# Altium PCB PCB.PcbDoc (part 4 of 4)
Units mm, origin at the board's own origin, x right, y up, seen from the top; angles counter-clockwise.
Board outline 100 x 100 mm, 6 copper layers (Top Layer, Layer 2, Layer 3, Layer 4, Layer 5, Bottom Layer), stack 1.538 mm thick; 352 components, 247 nets, 1015 pads, 362 vias.
Unrouted connection lines stored in the file: 1.
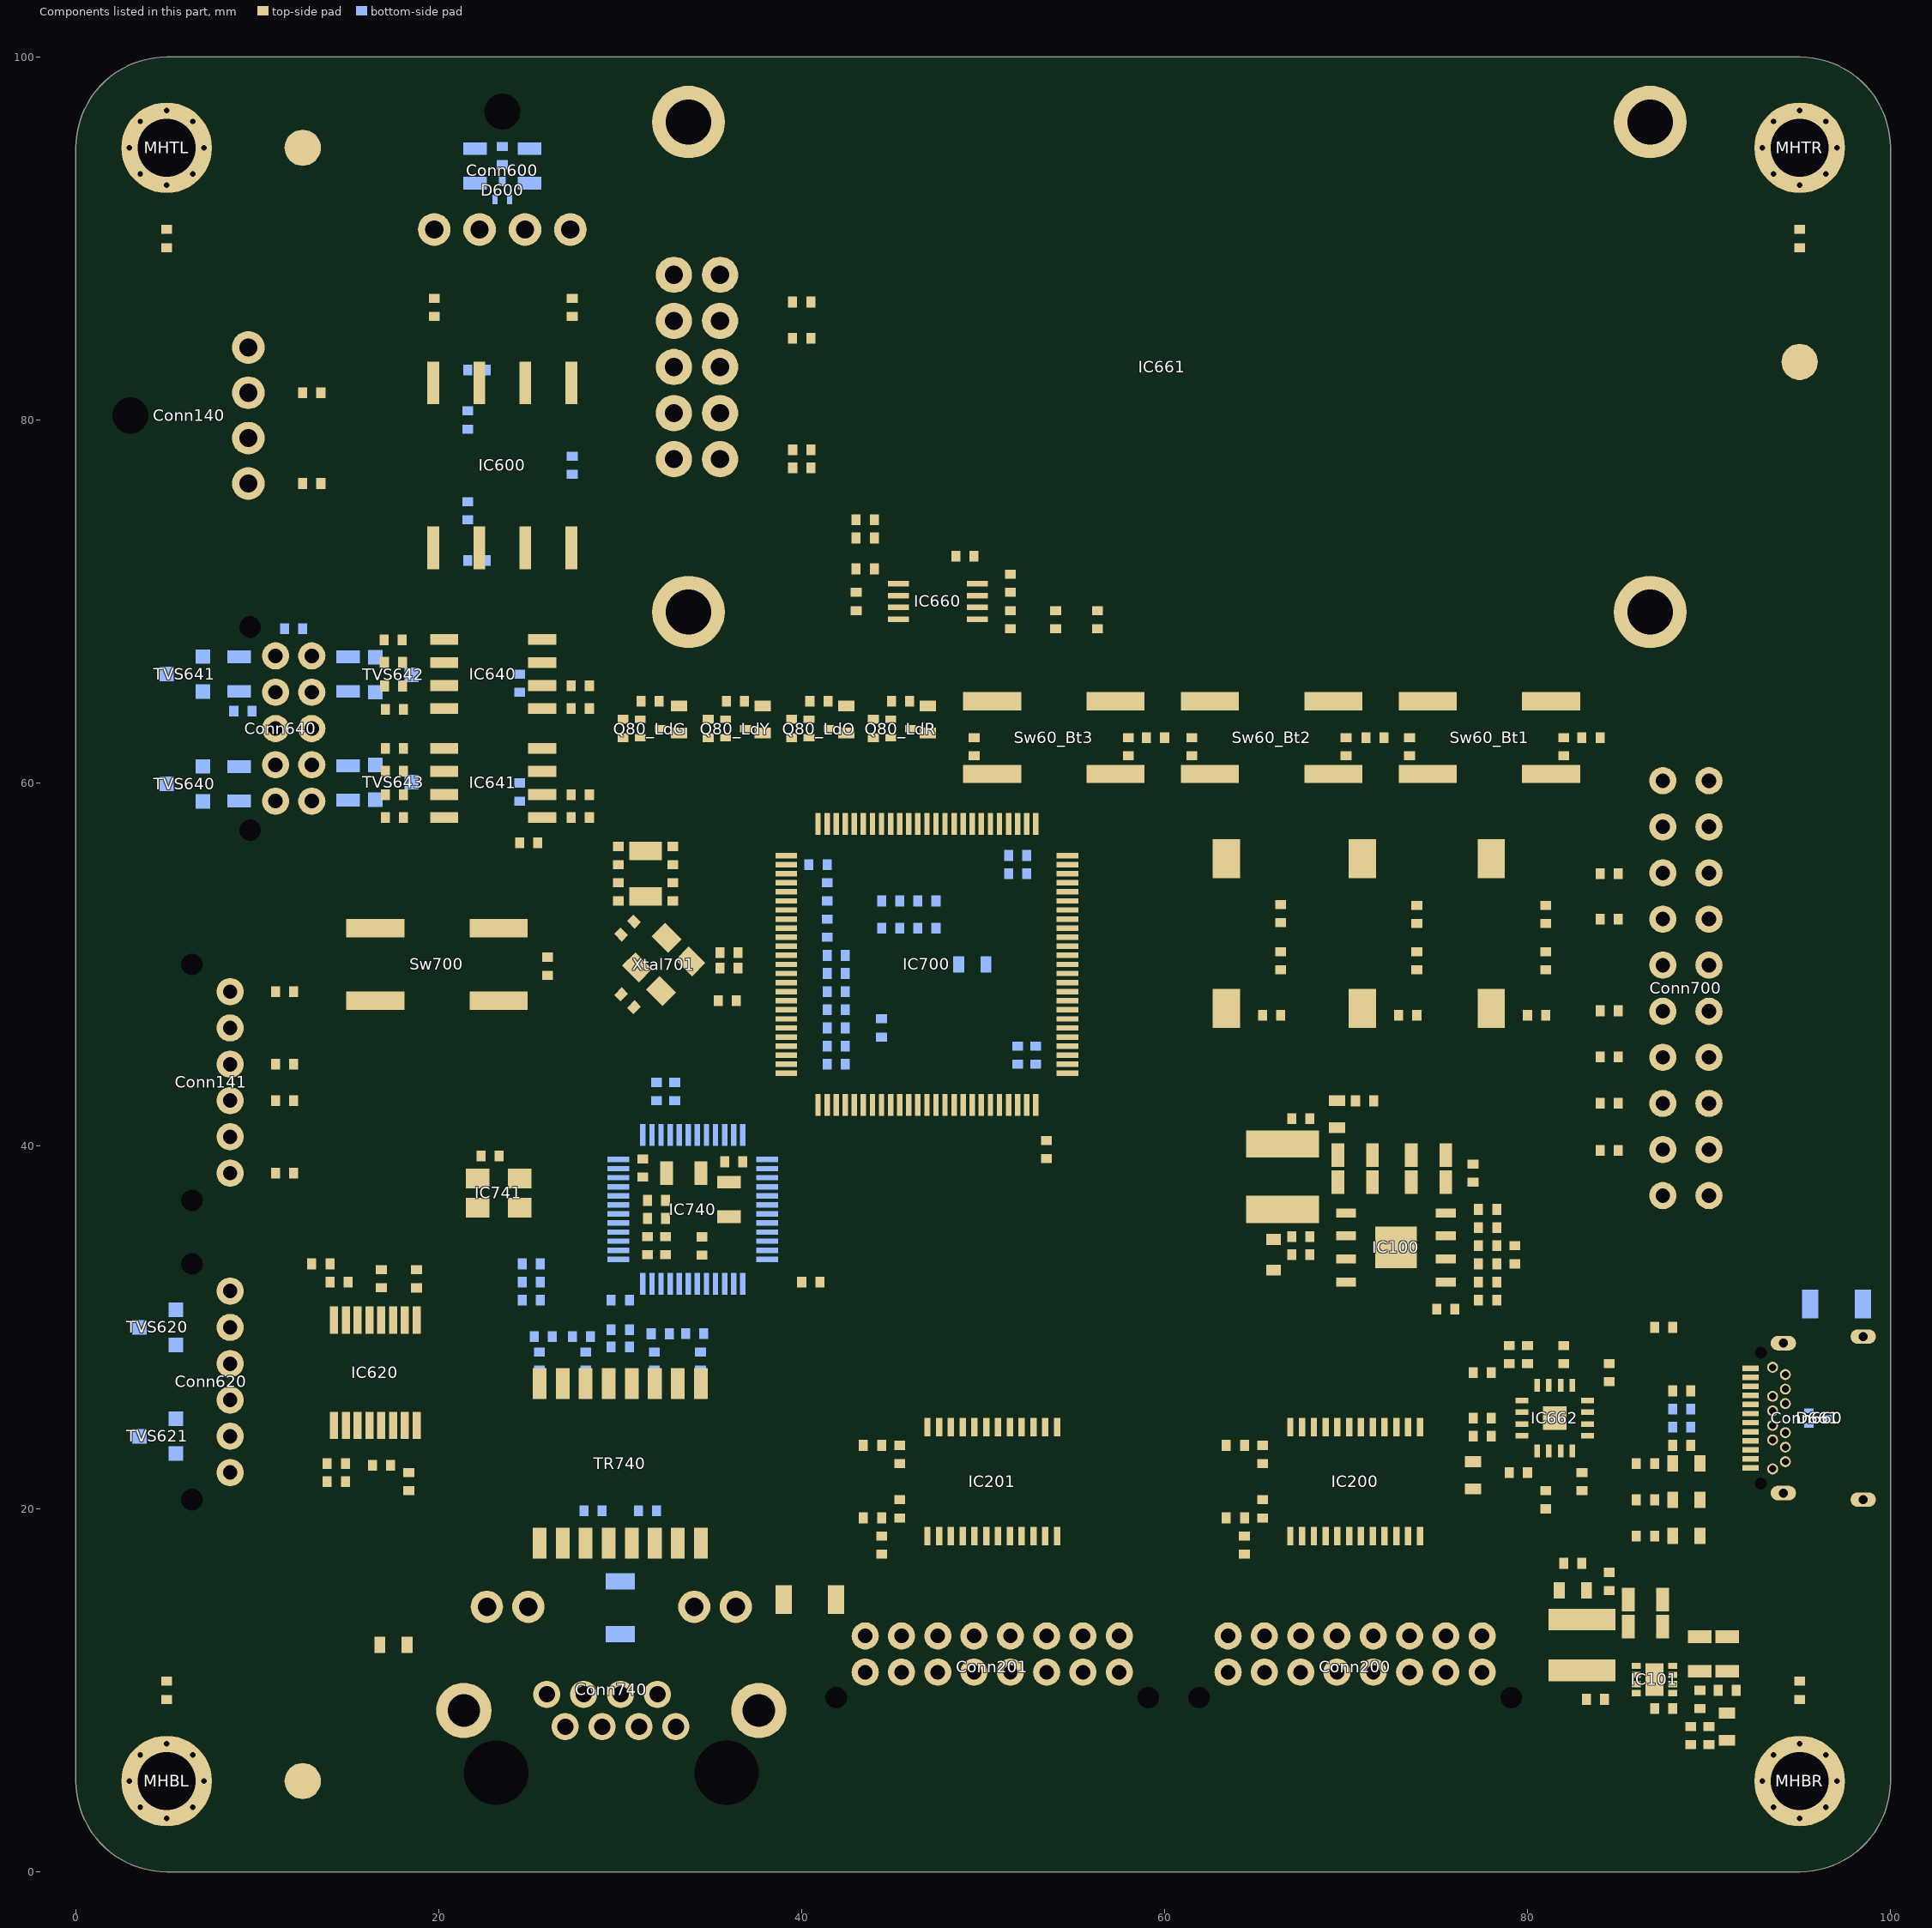
[diagram p8: the components of this part, seen from the top]

## Polygon pours and split planes (outlines as drawn)
GND on Top Layer "Top GND" (solid, pour order 20): 5,0 95,0 ccw(c95,5) 100,5 100,95 ccw(c95,95) 95,100 5,100 ccw(c5,95) 0,95 0,5 ccw(c5,5)
ChassisE on Top Layer "Top ChassisE" (solid, pour order 13): 40,-0.009 40,18.071 36.944,22 23,22 17,15.5 0.014,15.5 0.014,4.991 ccw(c4.764,4.741) 4.514,-0.009
Gcan on Top Layer "Top CAN GND" (solid, pour order 18): 18.5,99.5 18.5,82 20.877,77.83 28.209,77.996 30,81.5 30,99.5
ChassisU on Top Layer "Top ChassisU" (solid, pour order 15): 95,0 ccw(c95,5) 100,5 100.006,30.792 90.712,30.786 90.7,29.198 91.051,29.203 94.714,26.094 94.709,23.431 91.588,19.791 91.209,19.785 91.215,18.474 90.7,17.467 90.7,14.2 92.707,14.2 92.702,11.203 93.199,11.198 93.194,-0.001
ChassisE on Bottom Layer "Bottom ChassisE" (solid, pour order 10): 40,0 40,17.571 36.556,22 23.269,22 17.269,15.5 0,15.5 0,5 ccw(c4.75,4.75) 4.5,0
Gcan on Bottom Layer "Bottom CAN GND" (solid, pour order 17): 18.5,99.5 18.5,82 20.877,77.83 28.209,77.996 30,81.5 30,99.5
GND on Bottom Layer "Bottom GND" (solid, pour order 23): 5,0 95,0 ccw(c95,5) 100,5 100,95 ccw(c95,95) 95,100 5,100 ccw(c5,95) 0,95 0,5 ccw(c5,5)
ChassisU on Bottom Layer "Bottom ChassisU" (solid, pour order 11): 95,0 ccw(c95,5) 100,5 100.006,30.792 90.712,30.786 90.7,29.198 91.051,29.203 94.714,26.094 94.709,23.431 91.588,19.791 91.209,19.785 91.215,18.474 90.7,17.467 90.7,14.2 92.707,14.2 92.702,11.203 93.199,11.198 93.194,-0.001
ChassisE on Layer 3 "Layer3 ChassisE" (solid, pour order 8): 40,0 40,17.571 36.556,22 23.269,22 17.269,15.5 0,15.5 0,5 ccw(c4.75,4.75) 4.5,0
Gcan on Layer 3 "Layer3 CAN GND" (solid, pour order 21): 18.5,99.5 18.5,82 20.877,77.83 28.209,77.996 30,81.5 30,99.5
ChassisU on Layer 3 "Layer3 ChassisU" (solid, pour order 14): 95,0 ccw(c95,5) 100,5 100.006,30.792 90.712,30.786 90.7,29.198 91.051,29.203 94.714,26.094 94.709,23.431 91.588,19.791 91.209,19.785 91.215,18.474 90.7,17.467 90.7,14.2 92.707,14.2 92.702,11.203 93.199,11.198 93.194,-0.001
GND on Layer 3 "Layer3 GND" (solid, pour order 22): 5,0 95,0 ccw(c95,5) 100,5 100,95 ccw(c95,95) 95,100 5,100 ccw(c5,95) 0,95 0,5 ccw(c5,5)
ChassisE on Layer 4 (split plane): 39.998,17.828 39.998,0.51 5,0.51 4.982,0.509 4.706,0.518 4.414,0.547 4.124,0.594 3.837,0.661 3.556,0.747 3.281,0.85 3.013,0.971 2.754,1.11 2.504,1.265 2.266,1.436 2.038,1.623 1.824,1.824 1.623,2.038 1.436,2.266 1.265,2.504 1.11,2.754 0.971,3.013 0.85,3.281 0.747,3.556 0.661,3.837 0.594,4.124 0.547,4.414 0.518,4.706 0.509,4.982 0.51,5 0.51,15.498 17,15.498 17.01,15.499 17.02,15.498 17.059,15.503 17.098,15.507 17.108,15.51 17.118,15.512 17.155,15.524 17.192,15.536 17.201,15.541 17.211,15.544 17.245,15.564 17.279,15.582 17.287,15.589 17.296,15.594 17.325,15.62 17.355,15.645 17.362,15.653 17.369,15.659 23.22,21.998 36.754,21.998
+5V on Layer 4 (split plane): 408 vertices, not listed, extent 18.202,0.51 99.491,99.491
VCC_422 on Layer 4 (split plane): 25.798,63.952 25.798,58.048 25.375,57.202 23.125,57.202 22.702,58.048 22.702,63.952 23.125,64.798 25.375,64.798
+3V3_ETH on Layer 4 (split plane): 37.25,43.128 37.239,39.74 37.243,39.714 37.246,39.688 37.256,39.664 37.266,39.639 37.282,39.619 37.298,39.597 37.319,39.581 37.34,39.565 37.364,39.555 37.388,39.545 37.389,39.545 37.414,39.541 37.441,39.538 40.298,39.532 40.298,19.078 37.397,22.808 37.375,22.831 37.355,22.855 37.341,22.867 37.329,22.88 37.303,22.898 37.279,22.918 37.263,22.926 37.248,22.937 37.22,22.949 37.192,22.964 37.175,22.969 37.158,22.977 37.128,22.984 37.098,22.993 37.08,22.995 37.062,22.999 37.031,22.999 37,23.002 23,23.002 22.99,23.001 22.98,23.002 22.941,22.997 22.902,22.993 22.892,22.99 22.882,22.988 22.845,22.976 22.808,22.964 22.799,22.959 22.789,22.956 22.755,22.936 22.721,22.918 22.713,22.911 22.704,22.906 22.675,22.88 22.645,22.855 22.638,22.847 22.631,22.841 16.78,16.502 13.702,16.502 13.702,34.416 15.584,36.298 20,36.298 20.052,36.305 20.101,36.325 20.143,36.357 20.643,36.857 20.675,36.899 20.695,36.948 20.702,37 20.702,39.916 21.584,40.798 29.5,40.798 29.552,40.805 29.601,40.825 29.643,40.857 31.143,42.357 31.175,42.399 31.195,42.448 31.202,42.5 31.202,43.416 32.084,44.298 36.397,44.298
+3V3 on Layer 4 (split plane): 332 vertices, not listed, extent 0.509,16.502 91.298,99.491
+3V3_FTDI on Layer 4 (split plane): 79.298,28.5 79.305,28.448 79.325,28.399 79.357,28.357 79.399,28.325 79.448,28.305 79.5,28.298 81,28.298 81.006,28.299 81.012,28.299 81.032,28.302 81.052,28.305 81.058,28.307 81.064,28.309 81.082,28.318 81.101,28.325 81.106,28.329 81.111,28.332 81.127,28.345 81.143,28.357 81.146,28.362 81.151,28.366 81.162,28.383 81.175,28.399 81.177,28.405 81.18,28.41 81.625,29.298 85.416,29.298 86.357,28.357 86.399,28.325 86.448,28.305 86.5,28.298 87.416,28.298 88.357,27.357 88.399,27.325 88.419,27.317 88.448,27.305 88.5,27.298 90.798,27.298 90.798,18.548 90.375,17.702 85.334,17.702 83.893,19.143 83.851,19.175 83.802,19.195 83.75,19.202 82.584,19.202 82.143,19.643 82.101,19.675 82.052,19.695 82,19.702 80.202,19.702 80.202,21 80.195,21.052 80.175,21.101 80.143,21.143 80.101,21.175 80.052,21.195 80,21.202 78.048,21.202 76.702,21.875 76.702,29.059 78.561,30.298 79.298,30.298
VBus on Layer 4 (split plane): 90.298,29 90.305,28.948 90.325,28.899 90.357,28.857 90.399,28.825 90.448,28.805 90.5,28.798 91.495,28.798 94.076,26.586 94.076,25.956 93.41,25.575 93.405,25.571 93.399,25.568 93.384,25.555 93.368,25.543 93.364,25.538 93.359,25.534 93.348,25.517 93.336,25.502 93.333,25.496 93.33,25.49 93.323,25.472 93.315,25.453 93.315,25.447 93.312,25.441 93.311,25.421 93.308,25.401 93.309,25.395 93.309,25.388 93.356,24.588 93.359,24.571 93.361,24.553 93.364,24.545 93.366,24.536 93.373,24.52 93.38,24.504 93.385,24.497 93.389,24.489 93.4,24.476 93.411,24.461 93.418,24.456 93.423,24.449 93.438,24.439 93.452,24.428 94.008,24.087 94.008,22.675 91.889,20.202 91.202,20.202 91.202,27.5 91.195,27.552 91.175,27.601 91.143,27.643 91.101,27.675 91.052,27.695 91,27.702 88.584,27.702 87.702,28.584 87.702,30.798 90.298,30.798
ChassisU on Layer 4 (split plane): 99.49,5 99.491,4.982 99.482,4.706 99.453,4.414 99.406,4.124 99.339,3.837 99.253,3.556 99.15,3.281 99.029,3.013 98.89,2.754 98.735,2.504 98.564,2.266 98.377,2.038 98.176,1.824 97.962,1.623 97.734,1.436 97.496,1.265 97.246,1.11 96.987,0.971 96.719,0.85 96.444,0.747 96.163,0.661 95.876,0.594 95.586,0.547 95.294,0.518 95.018,0.509 95,0.51 93.202,0.51 93.202,2.625 93.195,2.677 93.175,2.726 93.143,2.768 92.152,3.759 92.152,6.066 93.143,7.057 93.175,7.099 93.195,7.148 93.202,7.2 93.202,9.416 97.643,13.857 97.675,13.899 97.695,13.948 97.702,14 97.702,30.027 97.695,30.079 97.675,30.127 97.643,30.169 97.302,30.51 97.302,32.609 98.077,33.298 99.49,33.298
NetC740_1 on Layer 4 (split plane): 31.899,39.487 31.899,38.413 30.943,37.457 30.919,37.426 30.913,37.411 30.904,37.389 30.899,37.35 30.899,34.95 30.904,34.911 30.913,34.889 30.919,34.874 30.943,34.843 31.393,34.393 31.424,34.369 31.461,34.354 31.5,34.349 31.837,34.349 31.899,34.287 31.899,33.7 31.904,33.661 31.919,33.624 31.943,33.593 32.193,33.343 32.224,33.319 32.261,33.304 32.3,33.299 33.75,33.299 33.789,33.304 33.811,33.313 33.826,33.319 33.857,33.343 34.157,33.643 34.181,33.674 34.196,33.711 34.201,33.75 34.201,34.227 34.311,34.336 34.7,34.336 34.899,34.137 34.899,33.063 34.487,32.651 31.513,32.651 30.301,33.863 30.301,36.55 30.301,39.237 30.863,39.799 31.587,39.799
VDD on Layer 4 (split plane): 57.382,39.911 53.46,39.911 40.702,39.935 40.702,40 40.695,40.052 40.675,40.101 40.643,40.143 40.601,40.175 40.552,40.195 40.5,40.202 40.448,40.195 40.399,40.175 40.357,40.143 40.325,40.101 40.305,40.052 40.298,40 40.298,39.936 37.643,39.941 37.701,58.798 57.299,58.798
+5V_LCD on Layer 4 (split plane): 38.857,88.857 38.899,88.825 38.919,88.817 38.948,88.805 39,88.798 41.399,88.798 42.798,86.933 42.798,80 42.799,79.996 42.798,79.991 42.802,79.97 42.805,79.948 42.807,79.944 42.808,79.939 42.817,79.919 42.825,79.899 42.828,79.896 42.83,79.892 42.844,79.875 42.857,79.857 42.861,79.855 42.864,79.851 48.864,74.351 48.882,74.339 48.899,74.325 48.903,74.324 48.907,74.321 48.927,74.314 48.948,74.305 48.952,74.305 48.956,74.303 48.978,74.301 49,74.298 52.416,74.298 56.798,69.916 56.798,69 56.798,68.702 53,68.702 52.948,68.695 52.899,68.675 52.857,68.643 51.416,67.202 43.587,67.202 35.647,75.638 35.645,75.64 35.643,75.643 35.624,75.657 35.606,75.672 35.603,75.673 35.601,75.675 35.579,75.684 35.558,75.693 35.555,75.694 35.552,75.695 35.529,75.698 35.506,75.702 35.503,75.701 35.5,75.702 32.614,75.702 31.202,78.056 31.202,88.899 33.067,90.298 37.416,90.298
ChassisE on Layer 5 (split plane): 39.998,17.828 39.998,0.51 5,0.51 4.982,0.509 4.706,0.518 4.414,0.547 4.124,0.594 3.837,0.661 3.556,0.747 3.281,0.85 3.013,0.971 2.754,1.11 2.504,1.265 2.266,1.436 2.038,1.623 1.824,1.824 1.623,2.038 1.436,2.266 1.265,2.504 1.11,2.754 0.971,3.013 0.85,3.281 0.747,3.556 0.661,3.837 0.594,4.124 0.547,4.414 0.518,4.706 0.509,4.982 0.51,5 0.51,15.498 17,15.498 17.01,15.499 17.02,15.498 17.059,15.503 17.098,15.507 17.108,15.51 17.118,15.512 17.155,15.524 17.192,15.536 17.201,15.541 17.211,15.544 17.245,15.564 17.279,15.582 17.287,15.589 17.296,15.594 17.325,15.62 17.355,15.645 17.362,15.653 17.369,15.659 23.22,21.998 36.754,21.998
GND on Layer 5 (split plane): 231 vertices, not listed, extent 0.509,0.51 99.491,99.491
GND on Layer 5 (split plane): 99.49,5 99.491,4.982 99.482,4.706 99.453,4.414 99.406,4.124 99.339,3.837 99.253,3.556 99.15,3.281 99.029,3.013 98.89,2.754 98.735,2.504 98.564,2.266 98.377,2.038 98.176,1.824 97.962,1.623 97.734,1.436 97.496,1.265 97.246,1.11 96.987,0.971 96.719,0.85 96.444,0.747 96.163,0.661 95.876,0.594 95.586,0.547 95.294,0.518 95.018,0.509 95,0.51 93.202,0.51 93.202,2.625 93.195,2.677 93.175,2.726 93.143,2.768 92.152,3.759 92.152,6.066 93.143,7.057 93.175,7.099 93.195,7.148 93.202,7.2 93.202,9.466 97.643,13.907 97.675,13.949 97.695,13.998 97.702,14.05 97.702,30.027 97.695,30.079 97.675,30.127 97.643,30.169 97.302,30.51 97.302,32.609 98.077,33.298 99.49,33.298
Gcan on Layer 5 (split plane): 30.145,99.355 30.082,99.279 30.036,99.192 30.007,99.098 29.998,99 29.998,81.619 28.189,78.002 20.789,78.002 18.502,81.922 18.502,99 18.493,99.098 18.464,99.192 18.418,99.279 18.355,99.355 18.221,99.49 30.279,99.49
ChassisE on Layer 2 (split plane): 39.998,17.828 39.998,0.51 5,0.51 4.982,0.509 4.706,0.518 4.414,0.547 4.124,0.594 3.837,0.661 3.556,0.747 3.281,0.85 3.013,0.971 2.754,1.11 2.504,1.265 2.266,1.436 2.038,1.623 1.824,1.824 1.623,2.038 1.436,2.266 1.265,2.504 1.11,2.754 0.971,3.013 0.85,3.281 0.747,3.556 0.661,3.837 0.594,4.124 0.547,4.414 0.518,4.706 0.509,4.982 0.51,5 0.51,15.498 17,15.498 17.01,15.499 17.02,15.498 17.059,15.503 17.098,15.507 17.108,15.51 17.118,15.512 17.155,15.524 17.192,15.536 17.201,15.541 17.211,15.544 17.245,15.564 17.279,15.582 17.287,15.589 17.296,15.594 17.325,15.62 17.355,15.645 17.362,15.653 17.369,15.659 23.22,21.998 36.754,21.998
GND on Layer 2 (split plane): 231 vertices, not listed, extent 0.509,0.51 99.491,99.491
ChassisU on Layer 2 (split plane): 99.49,5 99.491,4.982 99.482,4.706 99.453,4.414 99.406,4.124 99.339,3.837 99.253,3.556 99.15,3.281 99.029,3.013 98.89,2.754 98.735,2.504 98.564,2.266 98.377,2.038 98.176,1.824 97.962,1.623 97.734,1.436 97.496,1.265 97.246,1.11 96.987,0.971 96.719,0.85 96.444,0.747 96.163,0.661 95.876,0.594 95.586,0.547 95.294,0.518 95.018,0.509 95,0.51 93.202,0.51 93.202,2.625 93.195,2.677 93.175,2.726 93.143,2.768 92.152,3.759 92.152,6.066 93.143,7.057 93.175,7.099 93.195,7.148 93.202,7.2 93.202,9.466 97.643,13.907 97.675,13.949 97.695,13.998 97.702,14.05 97.702,30.027 97.695,30.079 97.675,30.127 97.643,30.169 97.302,30.51 97.302,32.609 98.077,33.298 99.49,33.298
Gcan on Layer 2 (split plane): 30.145,99.355 30.082,99.279 30.036,99.192 30.007,99.098 29.998,99 29.998,81.619 28.189,78.002 20.789,78.002 18.502,81.922 18.502,99 18.493,99.098 18.464,99.192 18.418,99.279 18.355,99.355 18.221,99.49 30.279,99.49

## Other copper
Top Layer:
  pour cut-out: 66.501,95.2 82.199,95.2 ccw(c82.199,95.601) 82.6,95.601 82.6,96.799 ccw(c82.199,96.799) 82.199,97.2 66.501,97.2 ccw(c66.501,96.799) 66.1,96.799 66.1,95.601 ccw(c66.501,95.601)
  region net +5V_AP: 88.85,11.4 91.65,11.4 91.65,10.7 91.15,10.7 90.75,10.3 90.75,9.75 89.8,9.75 89.2,9.75 89.2,10.25 88.85,10.7
  region net +3V3_AP: 84.2,15.75 84.2,13.525 82.953,13.525 82.949,15.049
  region net +3V3_AP: 84.2,15.75 84.8,15.75 85.15,15.65 85.775,15.65 85.775,13.525 84.2,13.525
  region net +3V3_AP: 82.95,15.95 83.6,15.95 84.2,15.75 82.95,15.05
  region net NetL101_1: 85.682,10.925 84.525,10.925 84.525,11.575 84.85,11.575
  region net +3V3_RT: 69.9,37.35 69.15,37.35 67.15,39.35 67.15,40.85 67.4,40.85 67.75,41.2 67.75,41.8 68.25,41.8 68.75,41.3 69.95,41.3
  text "TL" at 66.845,95.2 h2
Layer 3:
  pour cut-out: 66.515,95.184 82.214,95.184 ccw(c82.214,95.585) 82.615,95.585 82.615,96.784 ccw(c82.214,96.784) 82.214,97.184 66.515,97.184 ccw(c66.515,96.784) 66.115,96.784 66.115,95.585 ccw(c66.515,95.585)
  text "L3" at 72.1,95.2 h2
Bottom Layer:
  pour cut-out: 66.524,95.184 82.223,95.184 ccw(c82.223,95.585) 82.624,95.585 82.624,96.784 ccw(c82.223,96.784) 82.223,97.184 66.524,97.184 ccw(c66.524,96.784) 66.124,96.784 66.124,95.585 ccw(c66.524,95.585)
  region net GND: 94,32 94.5,32.5 95.8,32.5 96.3,32 96.3,30.7 95.8,30.2 94.5,30.2 94,30.7
  text "BL" at 79.482,95.2 h2
Layer 2 (plane layer: these items are gaps in the copper):
  region: 66.6,97.2 ccw(c66.6,96.7) 66.1,96.7 66.1,95.7 ccw(c66.6,95.7) 66.6,95.2
  region: 82.1,95.2 ccw(c82.1,95.7) 82.6,95.7 82.6,96.7 ccw(c82.1,96.7) 82.1,97.2
  region: 66.6,97.2 66.6,95.2 82.1,95.2 82.1,97.2 71.6,97.2 71.6,95.2 69.6,95.2 69.6,97.2
  lines w0.4: 93,0.5 93,2.625 91.95,3.675 91.95,6.15 93,7.2 93,9.55 97.5,14.05 97.5,30.027 97.1,30.427 97.1,32.7 98,33.5 100,33.5
  lines w1: 17,100 18,99 18,81.786 20.5,77.5 28.5,77.5 30.5,81.5 30.5,99 31.5,100 ; 17,16 23,22.5 ; 17,16 0,16 17,16 ; 17,16 23,22.5 ; 23,22.5 37,22.5 ; 23,22.5 37,22.5 ; 37,22.5 40.5,18 ; 37,22.5 40.5,18 ; 40.5,18 40.5,0 40.5,18
  text "L2" at 69.6,95.2 h2
Layer 5 (plane layer: these items are gaps in the copper):
  region: 82.1,97.2 cw(c82.1,96.7) 82.6,96.7 82.6,95.7 cw(c82.1,95.7) 82.1,95.2
  region: 66.6,95.2 cw(c66.6,95.7) 66.1,95.7 66.1,96.7 cw(c66.6,96.7) 66.6,97.2
  region: 66.6,97.2 66.6,95.2 82.1,95.2 82.1,97.2 79.1,97.2 79.1,95.2 77.1,95.2 77.1,97.2
  lines w0.4: 93,0.5 93,2.625 91.95,3.675 91.95,6.15 93,7.2 93,9.55 97.5,14.05 97.5,30.027 97.1,30.427 97.1,32.7 98,33.5 100,33.5
  lines w1: 0,16 17,16 23,22.5 37,22.5 40.5,18 40.5,0 ; 17,100 18,99 18,81.786 20.5,77.5 28.5,77.5 30.5,81.5 30.5,99 31.5,100
  text "L5" at 77.1,95.2 h2
Layer 4 (plane layer: these items are gaps in the copper):
  lines w0.3: 30.15,33.8 30.15,36.55 30.15,39.3 30.8,39.95 31.65,39.95 32.05,39.55 32.05,38.35 31.05,37.35 31.05,34.95 31.5,34.5 31.9,34.5 32.05,34.35 32.05,33.7 32.3,33.45 33.75,33.45 34.05,33.75 34.05,34.29 34.248,34.488 34.762,34.488 35.05,34.2 35.05,33 34.55,32.5 31.45,32.5 30.15,33.8
  lines w0.4: 13.5,16 13.5,34.5 15.5,36.5 20,36.5 20.5,37 20.5,40 21.5,41 24.5,41 29.5,41 31,42.5 31,43.5 32,44.5 36.5,44.5 37.446,43.201 ; 18.5,99.5 18,99 18,82 20.5,77.5 28.5,77.5 31.5,75.5 35.5,75.5 43.5,67 51.5,67 53,68.5 57,68.5 57,69 57,70 52.5,74.5 49,74.5 43,80 43,87 41.5,89 39,89 37.5,90.5 33,90.5 31,89 31,78 32.5,75.5 ; 40.5,18 65.967,18 66.467,17.5 80,17.5 90.5,17.5 91,18.5 91,27.5 88.5,27.5 87.5,28.5 ; 40.5,18.5 40.5,40 ; 54.5,68.5 56,67 57.5,67 86.5,67 91.5,67 91.5,36.5 90.5,35.5 87.5,35.5 86,35.5 81,40.5 76.5,40.5 76,40 76,39 76.45,38.55 77.45,38.55 82,34 82,32.5 81,30.5 78.5,30.5 76.5,29.167 76.5,21.75 78,21 80,21 80,19.5 82,19.5 82.5,19 83.75,19 85.25,17.5 ; 79.5,30.5 79.5,28.5 81,28.5 81.5,29.5 83,29.5 84,29.5 85.5,29.5 86.5,28.5 87.5,28.5 ; 91,20 91.981,20 94.21,22.6 94.21,24.2 93.557,24.6 93.51,25.4 94.278,25.839 94.278,26.679 91.57,29 90.5,29 90.5,31 87.5,31 87.5,28.5 ; 93,0.5 93,2.625 91.95,3.675 91.95,6.15 93,7.2 93,9.5 97.5,14 97.5,30.027 97.1,30.427 97.1,32.7 98,33.5 100,33.5 ; 22.5,58 22.5,64 23,65 25.5,65 26,64 26,58 25.5,57 23,57 22.5,58 ; 37.441,39.739 53.46,39.709 57.585,39.709 57.5,59 37.5,59 37.441,39.739
  lines w1: 0,16 17,16 23,22.5 37,22.5 40.5,18 40.5,0

## Silkscreen, mask and mechanical layers (free items; w line width, h text height)
Top Overlay:
  circle w0.4: c37.9,58.1 r0.2
  circle w0.3: c69.8,36.955 r0.15
  circle w0.3: c78.6,22.3 r0.15
  circle w0.4: c37,26.5 r0.2
  circle w0.3: c46.225,18.1 r0.15
  circle w0.3: c66.025,18.1 r0.15
  circle w0.3: c49.525,68 r0.15
  circle w0.3: c18.723,72.93 r0.15
  circle w0.3: c26.9,63.15 r0.15
  circle w0.3: c27.1,56.65 r0.15
  lines w0.05: 12.6,33.1 12.6,33.9 14.4,33.9 14.4,33.1 12.6,33.1 ; 16.3,11.9 16.3,13.1 18.7,13.1 18.7,11.9 16.3,11.9 ; 19.351,85.276 19.351,87.076 20.151,87.076 20.151,85.276 19.351,85.276 ; 24.05,56.3 25.85,56.3 25.85,57.1 24.05,57.1 24.05,56.3 ; 26.941,85.305 26.941,87.105 27.741,87.105 27.741,85.305 26.941,85.305 ; 35,47.6 36.8,47.6 36.8,48.4 35,48.4 35,47.6 ; 39.6,32.1 39.6,32.9 41.4,32.9 41.4,32.1 39.6,32.1 ; 43,19.1 44.8,19.1 44.8,19.9 43,19.9 43,19.1 ; 43,23.1 44.8,23.1 44.8,23.9 43,23.9 43,23.1 ; 44,17.1 44,18.9 44.8,18.9 44.8,17.1 44,17.1 ; 53.6,68.1 53.6,69.9 54.4,69.9 54.4,68.1 53.6,68.1 ; 55.9,68.1 55.9,69.9 56.7,69.9 56.7,68.1 55.9,68.1 ; 63,19.1 64.8,19.1 64.8,19.9 63,19.9 63,19.1 ; 63,23.1 64.8,23.1 64.8,23.9 63,23.9 63,23.1 ; 64,17.1 64,18.9 64.8,18.9 64.8,17.1 64,17.1 ; 66.6,41.1 68.4,41.1 68.4,41.9 66.6,41.9 66.6,41.1 ; 76.6,27.1 78.4,27.1 78.4,27.9 76.6,27.9 76.6,27.1 ; 90.1,9.6 91.9,9.6 91.9,10.4 90.1,10.4 90.1,9.6 ; 90.4,6.8 90.4,9.2 91.6,9.2 91.6,6.8 90.4,6.8
  lines w0.1: 17,11.35 17.3,11.35 ; 17.3,11.05 17.3,11.65 ; 17.8,11.35 18.1,11.35 ; 33.1,61.2 33.7,61.2 ; 33.4,60.9 33.4,61.2 ; 33.4,61.7 33.4,62 ; 64.8,34.3 65.4,34.3 ; 65.1,33.5 65.1,33.8 ; 65.1,34.6 65.1,34.3 ; 69.2,43.9 69.8,43.9 ; 69.5,43.1 69.5,43.4 ; 69.5,44.2 69.5,43.9 ; 80.2,15.5 80.5,15.5 ; 80.5,15.2 80.5,15.8 ; 81,15.5 81.3,15.5 ; 87.8,16.4 88.1,16.4 ; 88.1,16.1 88.1,16.7 ; 88.6,16.4 88.9,16.4 ; 90.7,5.8 91.3,5.8 ; 91,5.5 91,5.8 ; 91,6.3 91,6.6 ; 17.3,11.35 17.8,11.05 17.8,11.15 17.8,11.65 17.3,11.35 ; 33.4,61.2 33.1,61.7 33.6,61.7 33.7,61.7 33.4,61.2 ; 65.1,34.3 64.8,33.8 64.9,33.8 65.4,33.8 65.1,34.3 ; 69.5,43.9 69.2,43.4 69.3,43.4 69.8,43.4 69.5,43.9 ; 80.5,15.5 81,15.2 81,15.3 81,15.8 80.5,15.5 ; 88.1,16.4 88.6,16.1 88.6,16.2 88.6,16.7 88.1,16.4 ; 91,5.8 91.3,6.3 91.2,6.3 90.7,6.3 91,5.8
  text "CAN-L" at 25.199,85.25 h1.4 r90
  text "CAN-H" at 22.699,85.099 h1.4 r90
  text "+5V" at 18.657,84.302 h1.4
  text "GND" at 26.04,84.288 h1.4
  text "+3V3" at 11,83.557 h1.4
  text "SDA" at 11.913,80.24 h1.4 r90
  text "GND" at 11,78.551 h1.4
  text "SCL" at 11.913,75.332 h1.4 r90
  text "I2C" at 10.091,72.197 h2
  text "LCD" at 54.097,70.017 h1.2
  text "TX-" at 14,67.619 h1.4
  text "+3V3" at 51.475,67.283 h1
  text "+5V" at 56.8,67.285 h1
  text "RX-" at 14,66.619 h1.4
  text "JTAG" at 94.372,65.722 h2
  text "TX+" at 14,65.619 h1.4
  text "E6" at 32.669,64.814 h1.4
  text "E5" at 37.282,64.812 h1.4
  text "E3" at 46.378,64.812 h1.4
  text "E4" at 41.859,64.8 h1.4
  text "RX+" at 14,64.619 h1.4
  text "GND" at 14,63.619 h1.4
  text "GND" at 14,62.619 h1.4
  text "CTS+" at 14,61.619 h1.4
  text "GNDx9" at 90.281,61.3 h1.4 r90
  text "x4" at 34.073,61.104 h1.4
  text "RTS+" at 14,60.619 h1.4
  text "NC" at 84.812,59.739 h1.4
  text "CTS-" at 14,59.619 h1.4
  text "RTS-" at 14,58.619 h1.4
  text "E1" at 65.327,58.332 h1.4
  text "E0" at 53.312,58.325 h1.4
  text "E2" at 77.329,58.325 h1.4
  text "NC" at 84.812,57.199 h1.4
  text "32kHz" at 29.842,57.012 h1.4
  text "1" at 61.571,56 h1.4
  text "D7" at 64.6,56 h1.4
  text "1" at 69.071,56 h1.4
  text "B8" at 72.1,56.014 h1.4
  text "1" at 76.071,56 h1.4
  text "B9" at 79.1,56 h1.4
  text "NRST" at 83.237,55.614 h1.4
  text "RS232" at 23.384,55.42 h1.2
  text "RS422" at 7.997,55.099 h2
  text "MCU RESET" at 17.08,53.514 h1.4
  text "TDO" at 83.549,53.014 h1.4
  text "25MHz" at 32.803,52.413 h1.4 r315
  text "NC" at 84.812,49.579 h1.4
  text "TCK" at 83.549,48.01 h1.4
  text "MOSI" at 10.55,47.179 h1.2
  text "0" at 61.505,46.725 h1.4
  text "0" at 69.005,46.725 h1.4
  text "0" at 76.005,46.725 h1.4
  text "ETH-MCU / RESET" at 34.324,46.273 h1
  text "GND" at 10.55,46.115 h1.2
  text "TMS" at 83.569,45.414 h1.4
  text "MISO" at 10.55,45.007 h1.2
  text "TDI" at 83.582,42.9 h1.4
  text "SCK" at 10.55,41.179 h1.2
  text "+3V3" at 64.987,40.885 h1.2 r90
  text "TRST" at 83.232,40.414 h1.4
  text "GND" at 10.55,40.115 h1.2
  text "STM32F417" at 43.255,40.099 h2
  text "CS" at 10.55,39.007 h1.2
  text "MCU" at 54.78,38.664 h1.2 r90
  text "+3V3" at 83.48,36.878 h1.4
  text "50MHz" at 21.747,35.025 h1.4
  text "SPI" at 8.867,34.697 h2
  text "RS232" at 12.659,34.136 h1.2
  text "+3V3" at 41.613,33.715 h1.2 r270
  text "+3V3" at 90.282,33.68 h1.4 r90
  text "RX" at 10.5,31.551 h1.4
  text "+5V / USB" at 86.294,30.5 h1.4
  text "+3V3_ETH" at 38.387,29.931 h1.2 r90
  text "GND" at 10.5,29.551 h1.4
  text "TX" at 10.5,27.551 h1.4
  text "FTDI" at 73.806,27.117 h1.2
  text "RTS" at 10.55,25.551 h1.4
  text "GND" at 10.55,23.551 h1.4
  text "+3V3" at 40.369,23.12 h1.2
  text "+3V3" at 60.369,23.12 h1.2
  text "CTS" at 10.55,21.551 h1.4
  text "TX" at 88.027,21.12 h1.3
  text "+3V3" at 40.469,19.12 h1.2
  text "+3V3" at 60.469,19.12 h1.2
  text "RX" at 87.994,19.12 h1.3
  text "RS232" at 6.505,18.197 h2
  text "USB" at 91.5,18.199 h2
  text "+3V3" at 81.285,18.013 h1.2
  text "+5V" at 41.926,17.122 h1.2
  text "+5V" at 60.926,17.122 h1.2
  text "SLP" at 87.707,17.106 h1.3
  text "(Type-C)" at 91.5,16.659 h1.6
  text "x3" at 89.001,16.033 h1.4
  text "D10" at 43.881,14.213 h1.4 r90
  text "D12" at 45.888,14.213 h1.4 r90
  text "D13" at 47.882,14.213 h1.4 r90
  text "D14" at 49.884,14.213 h1.4 r90
  text "D15" at 51.878,14.213 h1.4 r90
  text "C6" at 53.88,14.213 h1.4 r90
  text "C7" at 55.881,14.213 h1.4 r90
  text "C8" at 57.881,14.213 h1.4 r90
  text "E8" at 63.881,14.2 h1.4 r90
  text "E9" at 65.888,14.2 h1.4 r90
  text "E10" at 67.881,14.2 h1.4 r90
  text "E11" at 69.884,14.2 h1.4 r90
  text "E12" at 71.888,14.2 h1.4 r90
  text "E13" at 73.882,14.2 h1.4 r90
  text "E14" at 75.884,14.2 h1.4 r90
  text "E15" at 77.878,14.2 h1.4 r90
  text "SPD" at 16.609,13.325 h1.4
  text "ETH" at 20.863,12.168 h2 r90
  text "+5V" at 93.269,9.063 h1.2 r90
  text "PG" at 92.564,7.275 h1.2 r90
  text "GPIO #0" at 61.174,1.5 h1.8 r90
  text "GPIO #1" at 81.301,1.5 h2 r90
Bottom Overlay:
  circle w0.4: c39.818,39.739 r0.2
  lines w0.05: 21.2,74.1 21.2,75.9 22,75.9 22,74.1 21.2,74.1 ; 21.2,79.1 21.2,80.9 22,80.9 22,79.1 21.2,79.1 ; 45,51.6 46.8,51.6 46.8,52.4 45,52.4 45,51.6 ; 45,53.1 46.8,53.1 46.8,53.9 45,53.9 45,53.1
  text "+5V" at 20.337,80.737 h1.2 r90
  text "CAN" at 19.541,77.783 h1.2 r180
  text "+3V3" at 20.337,76.265 h1.2 r90
  text "Loop Back / Resistors" at 3.035,68.287 h1.4 r90
  text "NC" at 86.5,59.739 h1.4
  text "GND" at 92.912,59.739 h1.4
  text "NC" at 86.5,57.199 h1.4
  text "GND" at 92.912,57.199 h1.4
  text "NRST" at 86.5,54.659 h1.4
  text "GND" at 92.912,54.659 h1.4
  text "B0" at 47.937,54 h1.2 r90
  text "H" at 45.704,53.006 h1 r90
  text "L" at 46.81,52.943 h1 r90
  text "B1" at 47.95,52.5 h1.2 r90
  text "TDO/SWO" at 86.5,52.151 h1.4
  text "GND" at 92.912,52.079 h1.4
  text "NC" at 86.5,49.579 h1.4
  text "GND" at 92.912,49.579 h1.4
  text "TCK/SWCLK" at 86.5,47.071 h1.4
  text "GND" at 92.912,47.039 h1.4
  text "TMS/SWDIO" at 86.5,44.511 h1.4
  text "GND" at 92.912,44.479 h1.4
  text "GND" at 92.912,41.979 h1.4
  text "TDI" at 86.5,41.959 h1.4
  text "TRST" at 86.5,39.419 h1.4
  text "GND" at 92.912,39.419 h1.4
  text "3.3V" at 86.5,36.879 h1.4
  text "RX-" at 27.624,10.75 h1.4 r270
  text "TX-" at 31.688,10.75 h1.4 r270
  text "RX+" at 31.435,7 h1.4 r90
  text "TX+" at 33.445,7 h1.4 r90
Top Solder:
  region: 82.1,95.2 ccw(c82.1,95.7) 82.6,95.7 82.6,96.7 ccw(c82.1,96.7) 82.1,97.2
  region: 66.6,97.2 ccw(c66.6,96.7) 66.1,96.7 66.1,95.7 ccw(c66.6,95.7) 66.6,95.2
  region: 66.6,97.2 66.6,95.2 82.1,95.2 82.1,97.2
Bottom Solder:
  region: 82.1,97.2 cw(c82.1,96.7) 82.6,96.7 82.6,95.7 cw(c82.1,95.7) 82.1,95.2
  region: 66.6,95.2 cw(c66.6,95.7) 66.1,95.7 66.1,96.7 cw(c66.6,96.7) 66.6,97.2
  region: 66.6,97.2 66.6,95.2 82.1,95.2 82.1,97.2
Mechanical 1:
  the board outline again, w1
Dimensions:
  text "x4" at 112.489,1.178 h3
Drill Drawing:
  drawing of 185 lines, arcs and shapes, not listed
  text "Symbol" at 111.467,80.544 h1.83
  text "Count" at 124.317,80.544 h1.83
  text "Hole Size" at 139.553,80.544 h1.83
  text "Plated" at 168.754,80.544 h1.83
  text "Hole Type" at 181.603,80.544 h1.83
  text "Drill Layer Pair" at 200.242,80.544 h1.83
  text "Via/Pad" at 238.33,80.544 h1.83
  text "Pad Shape" at 253.313,80.544 h1.83
  text "1" at 124.317,76.734 h1.52
  text "0.650mm (25.59mil)" at 139.553,76.734 h1.52
  text "NPTH" at 168.754,76.734 h1.52
  text "Round" at 181.603,76.734 h1.52
  text "Top Layer - Bottom Layer" at 200.242,76.734 h1.52
  text "Pad" at 238.33,76.734 h1.52
  text "Rounded" at 253.313,76.734 h1.52
  text "1" at 124.317,72.924 h1.52
  text "0.650mm (25.59mil)" at 139.553,72.924 h1.52
  text "NPTH" at 168.754,72.924 h1.52
  text "Slot" at 181.603,72.924 h1.52
  text "Top Layer - Bottom Layer" at 200.242,72.924 h1.52
  text "Pad" at 238.33,72.924 h1.52
  text "Rounded" at 253.313,72.924 h1.52
  text "2" at 124.317,69.114 h1.52
  text "1.778mm (70.00mil)" at 139.553,69.114 h1.52
  text "PTH" at 168.754,69.114 h1.52
  text "Round" at 181.603,69.114 h1.52
  text "Top Layer - Bottom Layer" at 200.242,69.114 h1.52
  text "Pad" at 238.33,69.114 h1.52
  text "Rounded" at 253.313,69.114 h1.52
  text "2" at 124.317,65.304 h1.52
  text "2.000mm (78.74mil)" at 139.553,65.304 h1.52
  text "NPTH" at 168.754,65.304 h1.52
  text "Slot" at 181.603,65.304 h1.52
  text "Top Layer - Bottom Layer" at 200.242,65.304 h1.52
  text "Pad" at 238.33,65.304 h1.52
  text "Rounded" at 253.313,65.304 h1.52
  text "2" at 124.317,61.494 h1.52
  text "3.556mm (140.00mil)" at 139.553,61.494 h1.52
  text "NPTH" at 168.754,61.494 h1.52
  text "Round" at 181.603,61.494 h1.52
  text "Top Layer - Bottom Layer" at 200.242,61.494 h1.52
  text "Pad" at 238.33,61.494 h1.52
  text "Rounded" at 253.313,61.494 h1.52
  text "4" at 124.317,57.684 h1.52
  text "0.500mm (19.69mil)" at 139.553,57.684 h1.52
  text "PTH" at 168.754,57.684 h1.52
  text "Slot" at 181.603,57.684 h1.52
  text "Top Layer - Bottom Layer" at 200.242,57.684 h1.52
  text "Pad" at 238.33,57.684 h1.52
  text "Rounded" at 253.313,57.684 h1.52
  text "4" at 124.317,53.874 h1.52
  text "1.016mm (40.00mil)" at 139.553,53.874 h1.52
  text "PTH" at 168.754,53.874 h1.52
  text "Round" at 181.603,53.874 h1.52
  text "Top Layer - Bottom Layer" at 200.242,53.874 h1.52
  text "Pad" at 238.33,53.874 h1.52
  text "Rounded" at 253.313,53.874 h1.52
  text "4" at 124.317,50.064 h1.52
  text "2.500mm (98.43mil)" at 139.553,50.064 h1.52
  text "PTH" at 168.754,50.064 h1.52
  text "Round" at 181.603,50.064 h1.52
  text "Top Layer - Bottom Layer" at 200.242,50.064 h1.52
  text "Pad" at 238.33,50.064 h1.52
  text "Rounded" at 253.313,50.064 h1.52
  text "4" at 124.317,46.254 h1.52
  text "3.200mm (125.98mil)" at 139.553,46.254 h1.52
  text "PTH" at 168.754,46.254 h1.52
  text "Round" at 181.603,46.254 h1.52
  text "Top Layer - Bottom Layer" at 200.242,46.254 h1.52
  text "Pad" at 238.33,46.254 h1.52
  text "Rounded" at 253.313,46.254 h1.52
  text "8" at 124.317,42.444 h1.52
  text "0.900mm (35.43mil)" at 139.553,42.444 h1.52
  text "PTH" at 168.754,42.444 h1.52
  text "Round" at 181.603,42.444 h1.52
  text "Top Layer - Bottom Layer" at 200.242,42.444 h1.52
  text "Pad" at 238.33,42.444 h1.52
  text "Rounded" at 253.313,42.444 h1.52
  text "10" at 124.317,38.634 h1.52
  text "1.200mm (47.24mil)" at 139.553,38.634 h1.52
  text "NPTH" at 168.754,38.634 h1.52
  text "Round" at 181.603,38.634 h1.52
  text "Top Layer - Bottom Layer" at 200.242,38.634 h1.52
  text "Pad" at 238.33,38.634 h1.52
  text "Rounded" at 253.313,38.634 h1.52
  text "12" at 124.317,34.824 h1.52
  text "0.400mm (15.75mil)" at 139.553,34.824 h1.52
  text "PTH" at 168.754,34.824 h1.52
  text "Round" at 181.603,34.824 h1.52
  text "Top Layer - Bottom Layer" at 200.242,34.824 h1.52
  text "Pad" at 238.33,34.824 h1.52
  text "Rounded" at 253.313,34.824 h1.52
  text "18" at 124.317,31.014 h1.52
  text "1.000mm (39.37mil)" at 139.553,31.014 h1.52
  text "PTH" at 168.754,31.014 h1.52
  text "Round" at 181.603,31.014 h1.52
  text "Top Layer - Bottom Layer" at 200.242,31.014 h1.52
  text "Pad" at 238.33,31.014 h1.52
  text "Rounded" at 253.313,31.014 h1.52
  text "74" at 124.317,27.204 h1.52
  text "0.800mm (31.50mil)" at 139.553,27.204 h1.52
  text "PTH" at 168.754,27.204 h1.52
  text "Round" at 181.603,27.204 h1.52
  text "Top Layer - Bottom Layer" at 200.242,27.204 h1.52
  text "Pad" at 238.33,27.204 h1.52
  text "Rounded" at 253.313,27.204 h1.52
  text "394" at 124.317,23.394 h1.52
  text "0.300mm (11.81mil)" at 139.553,23.394 h1.52
  text "PTH" at 168.754,23.394 h1.52
  text "Round" at 181.603,23.394 h1.52
  text "Top Layer - Bottom Layer" at 200.242,23.394 h1.52
  text "(Mixed)" at 238.33,23.394 h1.52
  text "Rounded" at 253.313,23.394 h1.52
  text "540 Total" at 124.317,19.584 h1.52
  text "Slot definitions :" at 111.467,15.902 h1.52
  text "Routed Path Length" at 137.698,15.902 h1.52
  text "= Calculated from tool start centre position to tool end centre position." at 165.705,15.902 h1.52
  text "Hole Length" at 137.698,13.362 h1.52
  text "= Routed Path Length + Tool Size = Slot length as defined in the PCB layout" at 155.295,13.362 h1.52
Mechanical 101:
  text "TX-" at 14,67.619 h1.4
  text "RX-" at 14,66.619 h1.4
  text "TX+" at 14,65.619 h1.4
  text "RX+" at 14,64.619 h1.4
  text "GND" at 14,63.619 h1.4
  text "GND" at 14,62.619 h1.4
  text "CTS+" at 14,61.619 h1.4
  text "RTS+" at 14,60.619 h1.4
  text "CTS-" at 14,59.619 h1.4
  text "RTS-" at 14,58.619 h1.4
  text "D10" at 43.881,14.213 h1.4 r90
  text "D12" at 45.888,14.213 h1.4 r90
  text "D13" at 47.882,14.213 h1.4 r90
  text "D14" at 49.884,14.213 h1.4 r90
  text "D15" at 51.878,14.213 h1.4 r90
  text "C6" at 53.88,14.213 h1.4 r90
  text "C7" at 55.881,14.213 h1.4 r90
  text "C8" at 57.881,14.213 h1.4 r90
  text "E8" at 63.881,14.2 h1.4 r90
  text "E9" at 65.888,14.2 h1.4 r90
  text "E10" at 67.881,14.2 h1.4 r90
  text "E11" at 69.884,14.2 h1.4 r90
  text "E12" at 71.888,14.2 h1.4 r90
  text "E13" at 73.882,14.2 h1.4 r90
  text "E14" at 75.884,14.2 h1.4 r90
  text "E15" at 77.878,14.2 h1.4 r90

## Dimensions
95,5 to 100.5,-0.5 on Dimensions
-0.024,104.492 to 99.976,102.992 on Dimensions
-2.508,100.024 to -4.008,0.024 on Dimensions

## Text inside footprints (layer, text, board x,y; h text height)
Conn660: Top Assembly "PCB Edge" at 100,24.1 h0.5 r90
Sw40_Sw1: Top Assembly "ON" at 62.175,53.721 h2
Sw40_Sw2: Top Assembly "ON" at 69.675,53.721 h2
Sw40_Sw3: Top Assembly "ON" at 76.775,53.721 h2